# Allegro board A523-EVB-AXP717C-LPDDR4-4X-32X1-V1-0.brd (continued)
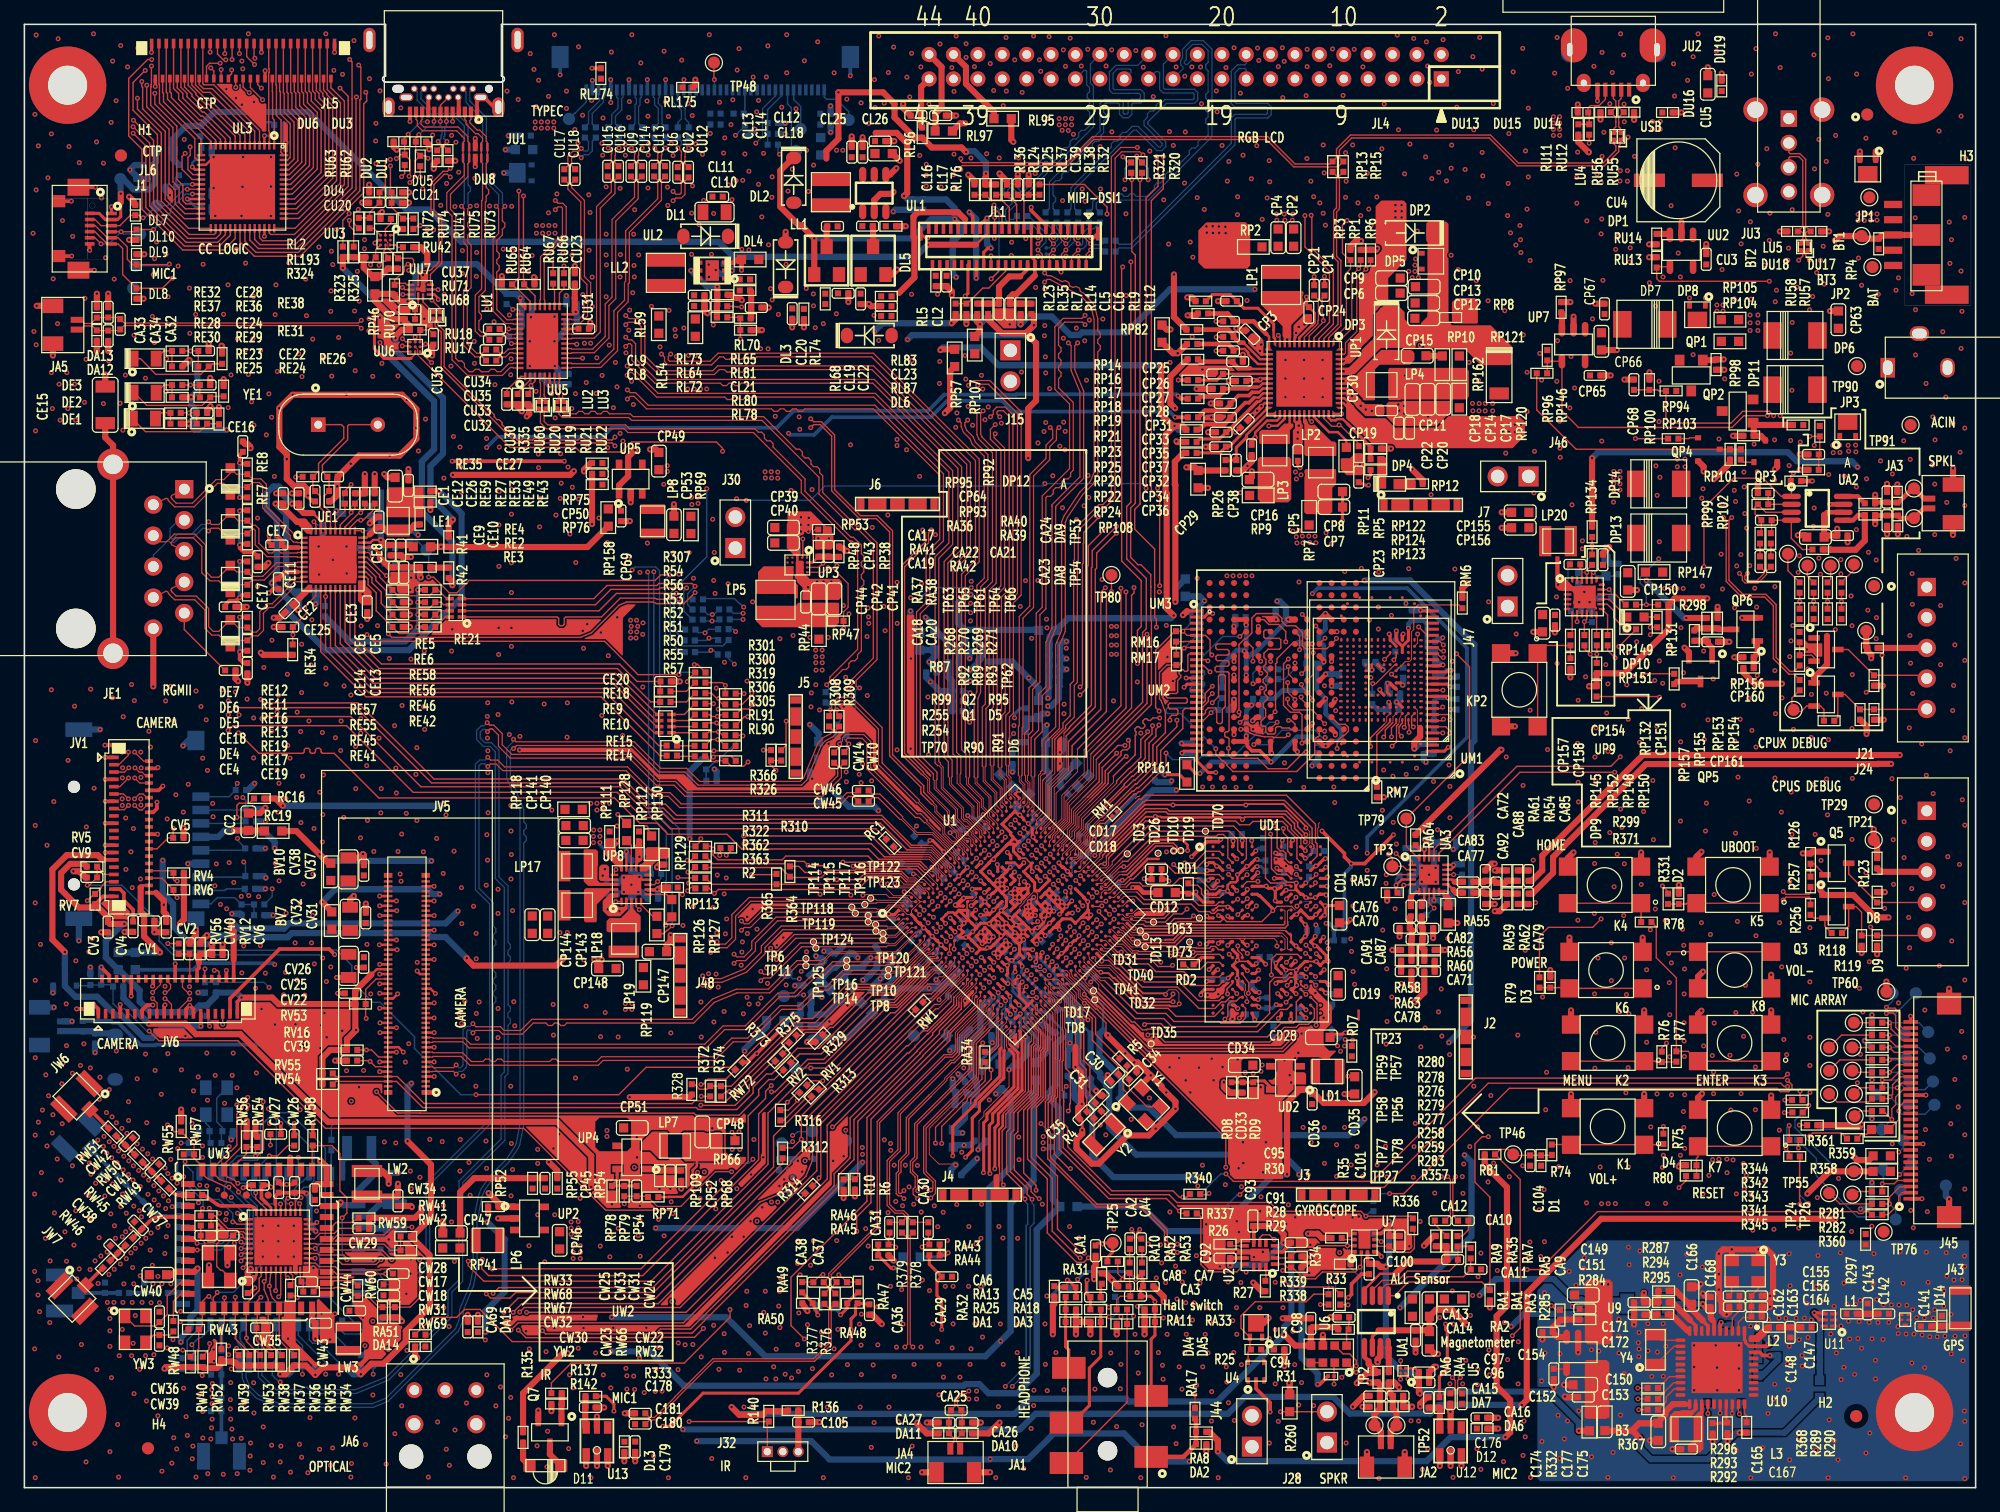
[diagram p0: board, top side]
## Routing (per net, layer and track width the routed paths; a pad name or vN(x,y) marks a point on that pad's centre or on a via; arc(x,y) is an arc through that point) (continued)
SW: length 3
  TOP w0.203: UP1.45 109.12,90.54 109.19,90.62 109.19,90.82 109.07,90.94 UP1.46
SW-OUT: length 7.6
  TOP w0.508: RP122.2 v1(112.06,85.21)
  L4 w0.508: v1(113.2,91.2) 111.71,89.71 111.71,86.51 112.06,86.16 v1(112.06,85.21)
TS: length 78.4
  TOP w0.203: UP1.39 v1(108.01,88.05)
  TOP w0.508: JP2.2 JP1.3 152.34,102.73 RP4.2 150.86,102.43 BT2.1 148.82,102.64 v1(148.46,102.29) ; RP134.1 v1(128.55,84.43)
  L3 w0.508: v1(128.55,84.43) 127.13,85.85 110.72,85.85 108.52,88.05 v1(108.01,88.05)
  L4 w0.508: v1(150.32,83.69) 150.73,84.11 150.73,94.86 148.46,97.13 v1(148.46,102.29)
  BOTTOM w0.508: v1(150.32,83.69) 149.83,84.18 145.34,84.18 144.6,84.91 129.03,84.91 v1(128.55,84.43)
TWI0-SCK: length 140.1
  TOP w0.114: v1(26.64,103.93) 26.64,103.48 27,103.12 RL193.2 ; JL6.3 5.8,103.5 6.81,102.49 J1.5 7.69,102.49 8.44,101.75 8.44,100.73 8.87,100.3 DL9.2 11.84,100.3 v1(11.89,100.34) ; v1(79.53,104.67) 79.78,104.67 80.16,104.29 JL1.25 ; UL3.20 13.77,107.28 12.93,108.12 12.93,109.17 v1(13.18,109.42)
  L3 w0.114: v1(13.18,109.42) 13.34,109.58 21,109.58 v1(26.64,103.93) 30.93,103.93 31.35,104.35 40.8,104.35 44.08,107.63 58.49,107.63 v1(58.9,107.21) 61.7,104.42 63.72,104.42 64.19,103.95 70.03,103.95 71.11,105.03 71.74,105.03 72.31,105.6 78.58,105.6 79.5,104.67 v1(79.53,104.67)
  L4 w0.114: v1(58.93,71.2) 58.8,71.2 56.99,73.01 56.99,80.4 57.63,81.03 57.63,99.19 57.64,99.2 57.64,103.88 58.85,105.09 58.85,107.17 v1(58.9,107.21) ; v1(13.18,109.42) 12.65,108.89 12.65,101.1 v1(11.89,100.34)
  BOTTOM w0.114: TP82.1 11.75,100.2 v1(11.89,100.34) ; RL88.2 58.85,71.2 58.85,71.2 v1(58.93,71.2)
TWI0-SDA: length 151.7
  TOP w0.114: v1(79.27,99.14) 79.86,99.72 JL1.26 ; JL6.4 5.78,103 6.42,102.36 6.44,102.36 6.65,102.15 6.65,102.13 6.79,101.99 J1.6 7.68,101.99 8.06,101.62 8.06,99.48 DL8.2 11.31,98.35 v1(12.14,99.19) ; UL3.19 13.82,107.68 13.41,108.08 13.41,109.09 13.59,109.27 v1(13.59,109.96) ; v1(26.63,104.49) 26.63,104.45 26.11,103.94 RL2.2
  L3 w0.114: v1(13.59,109.96) 21.16,109.96 v1(26.63,104.49) 26.86,104.26 30.32,104.26 30.73,104.67 40.67,104.67 43.96,107.95 v1(59.41,107.95) 61.49,107.95 62.51,108.97 67.56,108.97 67.85,109.26 72.11,109.26 72.45,108.92 72.45,106.82 73.35,105.92 78.77,105.92 v1(79.51,105.18)
  L4 w0.114: v1(58.93,71.7) 58.8,71.7 57.31,73.19 57.31,80.26 57.95,80.9 57.95,99.06 58.42,99.53 58.42,103.79 59.41,104.78 v1(59.41,107.95) ; v1(13.59,109.96) 13.59,109.14 12.97,108.52 12.97,100.01 v1(12.14,99.19)
  BOTTOM w0.114: TP4.1 11.32,98.36 v1(12.14,99.19) ; v1(79.27,99.14) 79.92,99.79 79.92,104.79 79.53,105.18 v1(79.51,105.18) ; RL89.2 58.13,71.7 v1(58.93,71.7)
TWI1-SCK: length 126
  TOP w0.114: U7.12 v1(108.49,19.84) 106.1,19.84 105.72,19.46 104.38,19.46 R28.2 103.75,18.83 U2.13 ; U6.7 108.12,10.97 108.67,10.97 109.21,10.43 v1(109.21,9.98) ; U5.A2 v1(112.85,8.89) ; R310.1 57.08,51.91 v1(57.02,51.86)
  L3 w0.114: v1(54.81,11.73) 62.12,11.73 63.25,10.6 70.72,10.6 71.89,9.42 85.41,9.42 87.55,7.29 93.18,7.29 94.94,9.04 v1(108.03,9.04) 108.09,8.98 109.61,8.98 110,9.38 112.15,9.38 112.64,8.89 v1(112.85,8.89) ; v1(57.02,51.86) 55.92,50.76 55.92,46.96 54.15,45.18 54.15,38.43 54.7,37.88 54.7,30.95 55.4,30.25 55.4,26.23 v1(55.75,25.88)
  L4 w0.114: v1(54.81,11.73) 54.81,24.6 55.75,25.54 v1(55.75,25.88)
  BOTTOM w0.114: v1(108.49,19.84) 108.49,18.28 109.31,17.46 109.31,10.08 v1(109.21,9.98) 108.96,9.98 v1(108.03,9.04)
TWI1-SDA: length 125.7
  TOP w0.114: v1(109.2,9.46) U6.1 ; R311.1 55.46,53.04 v1(55.46,53.21) ; U5.B2 v1(112.85,10.41) ; U2.14 103.28,18.33 103.55,18.06 R29.2 103.99,18.06 104.92,17.12 105.87,17.12 106.42,17.68 109.12,17.68 v1(109.52,18.08) 109.63,18.19 U7.2
  L3 w0.114: v1(54.18,11.71) 54.57,12.1 62.2,12.1 63.35,10.95 70.88,10.95 72.09,9.74 85.54,9.74 87.68,7.6 93.05,7.6 94.91,9.46 v1(109.2,9.46) 109.6,9.46 109.86,9.72 112.15,9.72 v1(112.85,10.41) ; v1(55.2,25.85) 55.08,25.97 55.08,30.09 54.38,30.8 54.38,37.75 53.83,38.3 53.83,45.31 55.46,46.95 v1(55.46,53.21)
  L4 w0.114: v1(55.2,25.85) 55.2,25.52 54.5,24.81 54.5,12.03 v1(54.18,11.71)
  BOTTOM w0.114: v1(109.52,18.08) 109.63,17.98 109.63,9.6 109.49,9.46 v1(109.2,9.46)
TWI2-SCK: length 107.3
  TOP w0.114: v1(152.68,39.4) 152.76,39.32 153.39,39.32 153.82,38.89 153.82,37.87 154,37.69 J45.29 ; R374.2 57.52,32.48 v1(57.81,32.48)
  L3 w0.114: v1(57.81,32.48) 59.9,30.38 77.95,30.38 78.38,29.95 79.88,29.95 80.42,30.48 84.56,30.48 86.84,28.2 92.48,28.2 96.42,32.14 104.88,32.14 105.38,32.64 109.53,32.64 110.25,33.37 123.41,33.37 129.54,39.5 152.57,39.5 v1(152.68,39.4)
  BOTTOM w0.114: v1(152.68,39.4) 153.19,39.9 TP92.1
TWI2-SDA: length 114.7
  TOP w0.114: R375.2 62.43,36.49 58.55,32.62 v1(58.55,32.44) ; v1(152.68,38.89) 152.73,38.94 153.23,38.94 153.44,38.73 153.44,37.74 154,37.19 J45.28
  L3 w0.114: v1(152.68,38.89) 152.68,38.89 153.04,39.25 153.04,39.55 152.77,39.82 129.33,39.82 123.2,33.69 110.12,33.69 109.5,33.07 105.19,33.07 104.58,32.46 96.29,32.46 92.35,28.52 86.98,28.52 84.68,30.81 80.29,30.81 79.76,30.28 78.51,30.28 78.08,30.71 60.03,30.71 58.55,32.18 v1(58.55,32.44)
  BOTTOM w0.114: TP93.1 153.44,38.89 v1(152.68,38.89)
TWI5-SCK: length 220.1
  TOP w0.114: v1(130.4,58.67) 122.62,58.67 115.98,52.03 UA3.16 ; U1.L26 v1(83.4,52.64) ; v1(91.27,67.59) 91.27,70.3 91.57,70.61 91.57,74.39 89.97,75.99 89.97,100.03 v1(90.05,100.11) ; UU3.B3 29.6,101.56 29.49,101.45 29.49,101.29 29.8,100.98 R323.2 29.8,100.78 29.61,100.59 29.42,100.59 v1(29.09,100.25) ; v1(130.44,68.05) 129.82,68.67 RP150.2 ; RU66.2 v1(44.24,100.18)
  L3 w0.114: v1(29.09,100.25) 30.34,101.5 34.24,101.5 35.56,100.18 v1(44.24,100.18) 44.67,99.76 53.33,99.76 54.98,98.11 57.53,98.11 58.26,98.84 70.49,98.84 70.95,98.37 77.98,98.37 79.5,96.85 85.54,96.85 88.8,100.11 v1(90.05,100.11) 98.95,100.11 98.96,100.11 99.01,100.11 101.51,102.62 111.03,102.62 111.74,101.9 v1(122.3,101.9)
  L4 w0.076: 85.16,55.17 85.16,54.4 v1(83.4,52.64)
  L4 w0.114: v1(91.27,67.59) 90.28,66.61 90.28,64.51 86.33,60.56 86.33,56.35 85.16,55.17 ; v1(130.4,58.67) 130.44,58.7 v1(130.44,68.05) 130.18,68.31 130.18,69.47 130.31,69.6 130.31,75.53 128.93,76.91 128.93,77.37 128.25,78.05 127.3,78.05 124.8,80.56 124.8,83.75 124.8,83.75 124.8,89.34 124.8,89.34 124.8,99.81 122.71,101.9 v1(122.3,101.9)
TWI5-SDA: length 222.2
  TOP w0.076: U1.L27 84.06,53 84.31,53.25 84.31,53.46 84.7,53.85 84.7,54.02 85.4,54.73 85.4,56.29 87.44,58.33 87.44,60.16
  TOP w0.114: RU67.2 43.35,100.56 43.24,100.67 v1(43.23,100.67) ; UA3.17 115.58,52.36 122.38,59.16 130.09,59.16 v1(130.86,59.93) ; v1(90.73,100.53) 90.73,80.81 90.39,80.47 90.39,76.16 91.99,74.56 91.99,70.43 91.69,70.13 91.69,64.4 87.44,60.16 ; v1(28.38,100.28) 28.59,100.48 28.59,100.67 R324.2 28.81,101.51 UU3.C3 ; RP151.2 v1(130.74,68.97)
  L3 w0.114: v1(122.68,102.34) 111.91,102.34 111.45,102.79 111.45,102.8 111.2,103.04 101.34,103.04 98.83,100.53 v1(90.73,100.53) 88.59,100.53 85.33,97.28 79.68,97.28 78.17,98.79 71.13,98.79 70.66,99.26 58.08,99.26 57.89,99.45 57.88,99.45 57.67,99.66 57.67,99.68 56.67,100.67 v1(43.23,100.67) 35.7,100.67 34.45,101.92 30.03,101.92 v1(28.38,100.28)
  L4 w0.114: v1(122.68,102.34) 122.92,102.34 125.22,100.03 125.22,80.85 127.56,78.51 128.41,78.51 129.36,77.55 129.36,77.17 130.74,75.79 v1(130.74,68.97) 130.86,68.85 v1(130.86,59.93)
TX00: length 17.4
  TOP w0.114: JL5.2 25.13,114.8 25.27,114.66 25.28,114.66 26.24,113.71 26.24,106.88 26.23,106.86 22.14,102.77 20.19,102.77 20.08,102.88 UL3.41
TX01: length 18.9
  TOP w0.114: UL3.42 22.2,103.28 25.92,106.99 25.92,107.02 25.92,113.58 24.83,114.66 JL5.3
TX02: length 14.4
  TOP w0.114: JL5.4 24.53,114.61 24.79,114.34 24.79,114.25 25.6,113.44 25.6,107.19 22.5,104.08 UL3.43
TX03: length 16.7
  TOP w0.114: JL5.5 24.23,114.59 24.48,114.34 24.48,114.12 25.28,113.31 25.28,107.38 22.39,104.48 UL3.44
TX04: length 13.2
  TOP w0.114: UL3.45 22.3,104.88 24.97,107.54 24.97,113.18 24.16,113.98 24.16,114.34 23.93,114.57 JL5.6
TX05: length 15.5
  TOP w0.114: JL5.7 23.63,114.55 23.84,114.34 23.84,113.85 24.65,113.05 24.65,107.71 22.22,105.28 UL3.46
TX06: length 12.1
  TOP w0.114: UL3.47 22.15,105.68 24.33,107.86 24.33,112.91 23.52,113.72 23.52,114.34 23.33,114.54 JL5.8
TX07: length 14.3
  TOP w0.114: JL5.9 23.03,114.52 23.21,114.34 23.21,113.59 24.01,112.78 24.01,108.13 21.96,106.08 UL3.48
TX08: length 10.8
  TOP w0.114: UL3.49 21.91,106.48 23.7,108.26 23.7,112.65 22.89,113.45 22.89,114.34 22.73,114.5 JL5.10
TX09: length 13.1
  TOP w0.114: UL3.50 21.84,106.88 23.38,108.42 23.38,112.52 22.57,113.32 22.57,114.34 22.43,114.48 JL5.11
TX10: length 9.7
  TOP w0.114: JL5.12 22.13,114.47 22.25,114.34 22.25,113.19 23.06,112.38 23.06,108.56 21.78,107.28 UL3.51
TX11: length 12
  TOP w0.114: JL5.13 21.83,114.45 21.94,114.34 21.94,113.06 22.74,112.25 22.74,108.69 21.73,107.68 UL3.52
TX12: length 8.6
  TOP w0.114: JL5.14 21.53,114.43 21.62,114.34 21.62,112.92 22.43,112.12 22.43,108.82 21.68,108.08 UL3.53
TX13: length 10.9
  TOP w0.114: JL5.15 21.23,114.41 21.3,114.34 21.3,112.79 22.11,111.99 22.11,108.96 21.63,108.48 UL3.54
TX14: length 7.4
  TOP w0.114: JL5.16 20.93,114.53 20.98,114.48 20.98,112.66 21.79,111.85 21.79,109.09 21.58,108.88 UL3.55
TX15: length 9.4
  TOP w0.114: JL5.17 20.63,115.02 20.67,114.99 20.67,112.53 21.04,112.15 21.04,109.52 UL3.56
TX16: length 5.5
  TOP w0.114: JL5.18 20.33,114.49 20.35,114.48 20.35,112.31 20.48,112.18 UL3.1
TX17: length 8.4
  TOP w0.114: UL3.2 20.08,111.22 20.03,111.26 20.03,116.03 20.07,116.07 20.07,116.34 20.03,116.38 JL5.19
TX-1N: length 1.8
  TOP w0.102: CU35.1 39.25,94.42 39.44,94.42 39.6,94.26 40.23,94.26 40.27,94.22 UU5.34
TX-1N-1: length 20.5
  TOP w0.102: JU1.A3 36.12,112.21 36.21,112.11 36.21,111.82 37,111.03 37.21,111.03 37.56,110.67 37.56,110.39 37.47,110.29 DU8.7 DU8.4 37.47,108.69 37.56,108.6 37.56,105.6 37.49,105.53 37.49,98.31 36.97,97.78 36.97,94.84 37.37,94.44 37.82,94.44 CU35.2
TX-1P: length 1.9
  TOP w0.102: UU5.33 40.32,94.62 40.26,94.57 39.72,94.57 39.57,94.72 39.28,94.72 CU34.1
TX-1P-1: length 20.4
  TOP w0.102: JU1.A2 36.62,112.21 36.52,112.11 36.52,111.94 37.13,111.33 37.33,111.33 37.87,110.8 37.87,110.42 37.97,110.32 DU8.6 DU8.5 37.97,108.69 37.87,108.6 37.87,106.63 38.07,106.43 38.07,106.13 37.87,105.93 37.87,105.48 37.8,105.4 37.8,104.26 38,104.06 38,103.75 37.8,103.55 37.8,98.18 37.27,97.66 37.27,96.39 37.47,96.19 37.47,95.89 37.27,95.68 37.27,94.97 37.5,94.74 37.83,94.74 CU34.2
TX-2N: length 2.2
  TOP w0.102: UU5.36 40.09,93.42 40.05,93.37 39.68,93.37 39.34,93.03 38.99,93.03 CU33.1
TX-2N-1: length 26.6
  TOP w0.102: CU33.2 37.56,93.03 37.09,93.03 36.31,93.8 36.31,98.09 36.63,98.41 36.63,101.91 36.35,102.19 36.35,102.7 36.55,102.91 36.55,103.21 36.35,103.41 36.35,103.72 36.55,103.92 36.55,104.22 36.35,104.42 36.35,104.87 v1(36.56,105.08)
  BOTTOM w0.102: JU1.B3 32.51,114.47 32.51,113.9 33.72,112.7 35.46,112.7 36.38,111.78 36.38,110.39 36.47,110.29 DU9.7 DU9.4 36.47,108.69 36.38,108.6 36.38,106.85 36.58,106.65 36.58,106.34 36.38,106.14 36.38,105.26 v1(36.56,105.08)
TX-2P: length 2.2
  TOP w0.102: CU32.1 38.99,92.73 39.47,92.73 39.81,93.07 40.05,93.07 40.09,93.02 UU5.37
TX-2P-1: length 26.6
  TOP w0.102: v1(35.84,105.08) 36.05,104.87 36.05,102.06 36.32,101.78 36.32,98.53 36.01,98.22 36.01,93.68 36.96,92.73 37.56,92.73 CU32.2
  BOTTOM w0.102: JU1.B2 32.21,114.48 32.21,113.78 33.59,112.39 35.33,112.39 36.07,111.66 36.07,110.42 35.97,110.32 DU9.6 DU9.5 35.97,108.69 36.07,108.6 36.07,105.31 v1(35.84,105.08)
TXC: length 31.4
  TOP w0.114: RE18.2 52.13,66.09 CE20.1 50.24,66.11 48.8,67.55 29.27,67.55 27.1,69.72 UE1.20
TXCTL: length 31.7
  TOP w0.114: RE9.2 51.36,64.44 48.63,67.17 29.08,67.17 26.7,69.56 UE1.19
TXD0: length 32.6
  TOP w0.114: UE1.18 26.3,69.39 28.92,66.77 48.49,66.77 51.86,63.41 RE10.5
TXD1: length 33.3
  TOP w0.114: UE1.17 25.9,69.23 28.75,66.37 48.33,66.37 51.8,62.91 RE10.6
TXD2: length 34
  TOP w0.114: RE10.7 51.83,62.41 48.27,65.97 28.59,65.97 25.5,69.06 UE1.16
TXD3: length 34.7
  TOP w0.114: UE1.15 25.1,68.89 28.46,65.53 48.01,65.53 51.64,61.91 RE10.8
U3-PCIE21-RXN: length 20.6
  TOP w0.076: 73.37,56.39 73.37,56.28 75.47,54.19 75.47,53.63 76.09,53.01 76.32,53.01 76.7,52.63 76.7,52.58 76.91,52.37 76.91,52.16 76.99,52.07 U1.B16
  TOP w0.102: R308.2 66.09,63.37 v1(66.09,63.78) 66.09,63.79 66.19,63.89 66.19,64.3 66.71,64.82 67.84,64.82 70.33,62.33 70.33,59.43 73.37,56.39
  BOTTOM w0.102: v1(66.09,63.78) 66.09,63.99 RU15.2
U3-PCIE21-RXP: length 19.2
  TOP w0.076: U1.A16 76.63,52.34 76.55,52.43 76.55,52.57 76.26,52.85 76.03,52.85 75.31,53.57 75.31,54.12 73.28,56.16 73.17,56.16 73.16,56.17
  TOP w0.102: 73.16,56.17 70.03,59.3 70.03,62.21 67.72,64.52 66.84,64.52 66.5,64.17 66.5,63.91 v1(66.62,63.78) 66.62,63.44 R309.2
  BOTTOM w0.102: RU16.2 66.5,64.3 66.5,63.9 v1(66.62,63.78)
U3-PCIE21-TXN: length 18.4
  TOP w0.076: 74,54.75 74.02,54.74 74.02,54.63 76.38,52.27 76.38,52.19 76.53,52.04 76.74,51.83 76.74,51.83 76.99,51.59 U1.C15
  TOP w0.102: CW14.2 66.85,60.74 v1(66.85,60.99) 67.08,61.21 67.08,61.48 67.36,61.76 68.45,61.76 68.45,61.76 68.82,61.76 69.39,61.19 69.39,59.05 73.19,55.26 73.5,55.26 74,54.75
  BOTTOM w0.102: CU11.1 66.67,61.73 66.92,61.47 66.92,61.06 v1(66.85,60.99)
U3-PCIE21-TXP: length 17
  TOP w0.076: 73.79,54.54 73.8,54.52 73.91,54.52 76.23,52.2 76.23,52.13 76.63,51.72 U1.B15
  TOP w0.102: CW10.2 67.46,60.54 67.46,60.84 v1(67.61,60.99) 67.38,61.21 67.38,61.36 67.48,61.46 68.33,61.46 68.33,61.46 68.7,61.46 69.09,61.06 69.09,58.93 73.06,54.95 73.37,54.95 73.79,54.54
  BOTTOM w0.102: CU10.1 67.23,61.54 67.23,61.37 v1(67.61,60.99)
U/D: length 5.1
  TOP w0.114: JL1.23 80.76,104.98 80.13,105.62 79.72,105.62 79.72,105.62 79.36,105.62 79.35,105.63 79.33,105.62 79.2,105.62 RL24.1 RL36.2
USB0-DM: length 121.2
  TOP w0.076: U1.B18 77.6,52.74 77.6,53.09 77.44,53.25 77.17,53.25 76.87,53.55 76.87,53.96 75.84,55 75.84,55.5 74.22,57.11 74.22,58.11 73.8,58.53 73.71,58.62 73.71,58.68 73.7,58.69
  TOP w0.112: v1(74.37,78.54) 74.14,78.3 74.14,77.48 72.17,75.51 72.17,60.9 72.17,60.9 72.17,60.22 73.7,58.69 ; LU4.1 130.86,110.16 130.73,110.03 130.73,109.57 129.56,108.4 122.41,108.4 120.12,110.69 108.83,110.69 107.83,109.69 107.83,109.08 RP15.2 107.71,108.31 104.09,108.31 101.84,110.56 87.68,110.56 85.54,108.42 77.05,108.42 76.89,108.43 76.78,108.31 v1(76.78,108.1)
  L4 w0.112: v1(74.37,78.54) 74.15,78.76 74.15,78.92 74.15,84.36 74.39,84.61 74.39,101.16 74.71,101.48 74.71,106.97 76.16,108.42 76.46,108.42 v1(76.78,108.1)
USB0-DM-1: length 4
  TOP w0.112: JU2.2 130.94,113.92 130.73,113.71 130.73,113.21 DU14.2 130.73,112.39 130.73,111.92 130.73,111.92 130.73,111.61 130.86,111.48 LU4.2
USB0-DP: length 120.3
  TOP w0.076: 73.53,58.52 73.6,58.45 73.66,58.45 73.69,58.42 74.07,58.04 74.07,57.05 75.68,55.43 75.68,54.93 76.72,53.9 76.72,53.48 77.11,53.1 77.24,53.1 U1.A18
  TOP w0.112: v1(73.66,78.53) 73.9,78.29 73.9,77.58 71.93,75.61 71.93,60.8 71.93,60.8 71.93,60.12 73.53,58.52 ; v1(76.78,108.99) 76.78,108.78 76.89,108.66 77.05,108.66 85.45,108.66 87.58,110.8 101.94,110.8 104.19,108.55 107.06,108.55 RP13.2 107.59,109.08 107.59,109.79 108.73,110.92 120.22,110.92 122.5,108.64 129.46,108.64 130.49,109.67 130.49,110.03 130.36,110.16 LU4.4
  L4 w0.112: v1(73.66,78.53) 73.88,78.76 73.88,78.92 73.88,84.48 74.12,84.72 74.12,101.27 74.44,101.59 74.44,107.08 76.05,108.68 76.47,108.68 v1(76.78,108.99)
USB0-DP-1: length 4
  TOP w0.112: LU4.3 130.36,111.48 130.49,111.61 130.49,112.02 130.49,112.39 DU15.2 130.49,113.21 130.49,113.71 130.29,113.92 JU2.3
USB0-DRVVBUS: length 81.6
  TOP w0.114: v1(145.6,32.52) 145.6,31.97 R344.1 ; RP96.2 124.87,91.4 RP146.2 124.93,92.38 UP7.4 126.08,88.3 127.43,86.94 140.03,86.94 141,87.91 v1(142.93,87.91)
  L4 w0.114: v1(142.93,87.91) 142.83,87.81 142.83,53.38 145.6,50.61 v1(145.6,32.52)
USB0-ID: length 121.8
  TOP w0.114: RU12.2 v1(128.31,110.26) ; v1(132.1,86.03) 132.16,86.03 132.16,86.03 RP103.1
  L3 w0.114: v1(134.06,77.57) 133.12,76.63 127.6,76.63 127.22,77.01 104.29,77.01 102.79,78.51 91.31,78.51 89.95,77.15 71.87,77.15 68.19,73.47 60.48,73.47 60.03,73.03 58.5,73.03 57.86,72.39 57.86,70.66 v1(58.32,70.21)
  L4 w0.114: v1(134.06,77.57) 133.32,78.31 133.32,84.41 132.1,85.63 v1(132.1,86.03) 132.1,100.62 127.78,104.94 127.78,105.75 127.77,105.75 127.77,109.73 128.08,110.03 128.08,110.03 v1(128.31,110.26)
  BOTTOM w0.114: v1(58.32,70.21) 58.13,70.4 R1.1
USB0-REXT: length 13.3
  TOP w0.114: v1(79.1,51.89) 79.06,51.89 U1.E18
  L4 w0.102: v1(77.51,62.76) 77.51,62.22 77.65,62.08 ; 77.92,53.24 78.18,52.98 78.48,52.98 79.1,52.36 v1(79.1,51.89)
  L4 w0.114: 77.65,62.08 77.68,62.05 77.68,54.2 77.92,53.96 77.92,53.24
  BOTTOM w0.102: R17.2 76.94,63.33 v1(77.51,62.76)
USB1-DM: length 139.3
  TOP w0.076: v1(79.76,52.65) 79.76,52.62 79.46,52.33 U1.E20
  TOP w0.112: LU5.1 146.07,101.31 146.07,100.97 v1(146.37,100.66)
  L3 w0.112: v1(146.37,100.66) 146.06,100.35 146.06,99.97 145.67,99.57 144.26,99.57 142.82,101.01 136.82,101.01 131.58,106.25 97.51,106.25 96.1,104.84 83.83,104.84 81.65,107.02 75.59,107.02 74.68,107.94 74.27,107.94 v1(73.95,107.63)
  L4 w0.112: v1(73.95,107.63) 73.66,107.92 73.2,107.92 73.09,107.81 73.09,106.26 73.47,105.88 73.47,85.32 72.86,84.72 72.86,78.04 75.29,75.62 75.29,72.33 79.91,67.7 79.91,63.13 79.24,62.46 79.24,53.77 79.76,53.26 v1(79.76,52.65)
USB1-DM-1: length 9.8
  TOP w0.112: LU5.2 146.2,102.28 146.07,102.42 146.07,102.9 146.2,103.02 DU17.2 146.06,103.43 146.06,108.93 145.59,109.4 144.79,109.4 144.68,109.51 JU3.2
USB1-DP: length 138.9
  TOP w0.076: U1.D20 79.4,52.94 v1(79.4,53.02)
  TOP w0.112: LU5.4 145.83,101.31 145.83,101 v1(145.49,100.66)
  L3 w0.112: v1(145.49,100.66) 145.8,100.35 145.8,100.08 145.56,99.84 144.37,99.84 142.93,101.27 136.93,101.27 131.69,106.51 97.4,106.51 95.99,105.11 83.94,105.11 81.76,107.29 75.7,107.29 74.79,108.21 74.27,108.21 v1(73.95,108.52)
  L4 w0.112: v1(73.95,108.52) 73.62,108.19 73.09,108.19 72.82,107.92 72.82,106.15 73.21,105.77 73.21,85.43 72.6,84.83 72.6,77.93 75.02,75.51 75.02,72.22 79.64,67.59 79.64,63.24 78.98,62.57 78.98,53.66 79.4,53.24 v1(79.4,53.02)
USB1-DP-1: length 9.4
  TOP w0.112: LU5.3 145.7,102.27 145.83,102.4 145.83,102.88 145.69,103.02 DU18.2 145.82,103.43 145.82,108.83 145.5,109.16 144.79,109.16 144.68,109.05 JU3.3
USB1-DRVVBUS: length 84.7
  TOP w0.114: UU2.4 133.91,100.13 RU13.2 133.84,99.15 134.06,98.93 134.21,98.93 134.22,98.93 135.94,98.93 135.95,98.93 v1(143.08,98.93) ; R341.1 145.47,28.39 v1(145.47,27.85)
  L4 w0.114: v1(145.47,27.85) 145.18,28.13 145.18,32.66 145.27,32.75 145.27,50.49 142.51,53.25 142.51,98.37 v1(143.08,98.93)
USB1-REXT: length 14.1
  TOP w0.114: U1.D18 78.73,52.27 v1(78.73,52.27)
  L4 w0.076: 77.75,53.16 78.11,52.81 78.19,52.81 v1(78.73,52.27)
  L4 w0.102: 76.78,57.32 76.78,62.57 v1(77.53,63.31)
  L4 w0.114: 77.75,53.16 77.69,53.22 77.69,53.7 76.78,54.61 76.78,57.32
  BOTTOM w0.102: v1(77.53,63.31) 77.53,63.31 77.53,63.92 R18.2
USB2-DM: length 82.7
  TOP w0.076: U1.C17 77.59,52.04 77.59,52.4 76.57,53.42 76.57,53.72 74.82,55.47 74.82,55.9 74.54,56.17 74.54,56.23 74.53,56.24
  TOP w0.112: LU1.4 33.68,95.69 33.68,95.27 34.18,94.77 34.18,91.82 40.33,85.67 48.18,85.67 v1(48.42,85.43) ; v1(64.47,87.65) 64.71,87.41 65.36,87.41 66.43,86.33 66.43,81.84 68.57,79.71 69.95,79.71 71.19,78.47 71.19,60.11 73.74,57.55 73.74,57.03 74.53,56.24
  L3 w0.112: v1(64.47,87.65) 64.25,87.43 48.18,87.43 47.47,86.72 47.47,86.11 47.93,85.65 48.21,85.65 v1(48.42,85.43)
USB2-DP: length 81.6
  TOP w0.076: U1.B17 77.34,52.43 76.41,53.36 76.41,53.65 74.66,55.4 74.66,55.83 74.43,56.06 74.37,56.06 74.36,56.07
  TOP w0.112: v1(48.42,86.15) 48.18,85.91 47.82,85.91 47.7,86.04 47.36,86.04 47.24,85.91 46.9,85.91 46.78,86.04 46.44,86.04 46.32,85.91 45.98,85.91 45.86,86.04 45.52,86.04 45.4,85.91 43.19,85.91 43.06,86.04 42.73,86.04 42.6,85.91 42.27,85.91 42.14,86.04 41.81,86.04 41.68,85.91 41.35,85.91 41.22,86.04 40.89,86.04 40.76,85.91 40.43,85.91 39.82,86.52 39.82,86.69 39.58,86.93 39.41,86.93 39.17,87.17 39.17,87.34 38.93,87.58 38.76,87.58 38.52,87.82 38.52,87.99 38.28,88.23 38.11,88.23 34.42,91.92 34.42,94.87 33.92,95.37 33.92,95.69 LU1.1 ; v1(64.47,86.93) 64.71,87.17 65.26,87.17 66.19,86.24 66.19,81.74 68.47,79.47 69.85,79.47 70.95,78.37 70.95,60.01 73.51,57.45 73.51,56.93 74.36,56.07
  L3 w0.112: v1(48.42,86.15) 48.18,85.92 48.04,85.92 47.74,86.22 47.74,86.61 48.29,87.16 64.25,87.16 v1(64.47,86.93)
USB2-REXT: length 17
  TOP w0.102: U1.D16 78.07,51.61 v1(78.07,51.62)
  L4 w0.102: 75.54,55.35 75.54,53.6 76.43,52.7 76.99,52.7 v1(78.07,51.62)
  L4 w0.114: v1(77.55,65.18) 75.54,63.17 75.54,55.35
  BOTTOM w0.114: v1(77.55,65.18) 77.47,65.18 77.31,65.34 R19.2
USB2-SW: length 63.4
  TOP w0.114: R362.1 54.58,50.48 v1(54.4,50.48) ; UU7.4 v1(33.92,98.24)
  L3 w0.114: v1(33.92,98.24) 34.54,98.24 37.26,95.53 37.26,92.3 42.82,86.73 42.82,66.29 43.25,65.87 v1(43.25,55.56)
  L4 w0.114: v1(43.25,55.56) 44.44,54.37 47.41,54.37 48.22,53.56 48.22,52.57 49.43,51.36 51.89,51.36 52.37,50.88 53.22,50.88 53.23,50.89 53.93,50.89 53.94,50.88 54,50.88 v1(54.4,50.48)
  BOTTOM w0.114: RU69.1 33.84,98.33 v1(33.92,98.24)
USB2-SW-EN: length 58.1
  TOP w0.114: v1(31.45,100.33) 31.37,100.33 31.15,100.11 31.15,99.75 30.85,99.45 30.79,99.45 30.35,99.01 RU70.1 30.48,98.77 31.23,98.77 31.35,98.64 UU7.8
  L3 w0.114: v1(55.95,81.92) 55.84,81.81 45.73,81.81 43.46,84.07 43.46,87.06 37.95,92.57 37.95,95.74 33.74,99.95 32,99.95 31.61,100.33 v1(31.45,100.33)
  BOTTOM w0.114: v1(55.95,81.92) 55.95,76.34 52.96,73.35 52.96,69.92 53.85,69.03 57.26,69.03 R3.1
USB3-RXN: length 45.1
  TOP w0.102: LU2.4 42.31,88.34 42.31,87.31 42.78,86.84 49.17,86.84 49.49,86.53 59.77,86.53 63.7,82.6 63.7,81.59 67.66,77.63 67.71,77.63 67.71,77.63 67.86,77.63 68.32,77.17 68.32,68.75 66.04,66.47 66.04,66.12 65.79,65.87 65.79,65.85 v1(65.78,65.84)
  BOTTOM w0.102: RU15.1 65.92,65.46 65.92,65.69 65.79,65.82 65.79,65.84 v1(65.78,65.84)
USB3-RXN-1: length 2.1
  TOP w0.102: UU5.4 42.27,90.62 42.32,90.57 42.32,89.78 42.31,89.78 42.31,89.51 42.21,89.41 LU2.3
USB3-RXP: length 46.4
  TOP w0.102: LU2.1 42.62,88.34 42.62,87.44 42.91,87.15 49.3,87.15 49.62,86.83 59.9,86.83 60.17,86.56 60.46,86.56 60.67,86.34 60.67,86.06 60.89,85.84 61.17,85.84 61.39,85.63 61.39,85.34 64.01,82.73 64.01,81.72 67.78,77.94 67.84,77.94 67.84,77.93 67.99,77.93 68.63,77.29 68.63,76.6 68.83,76.4 68.83,76.09 68.63,75.89 68.63,75.59 68.83,75.39 68.83,75.08 68.63,74.88 68.63,74.58 68.83,74.38 68.83,74.07 68.63,73.87 68.63,68.62 68.32,68.31 68.32,68.03 68.1,67.81 67.82,67.81 67.6,67.6 67.6,67.31 67.38,67.1 67.1,67.1 66.34,66.34 66.34,66.17 v1(66.67,65.84)